# Altium PCB Dahlia Carrier Board.PcbDoc (part 10 of 10)
Units mm, origin at the board's own origin, x right, y up, seen from the top; angles counter-clockwise.
Board outline 120 x 120 mm, 6 copper layers (Top Layer, GND, Layer 1, Layer 2, GND2, Bottom Layer), stack 1.558 mm thick; 879 components, 677 nets, 3194 pads, 1445 vias.
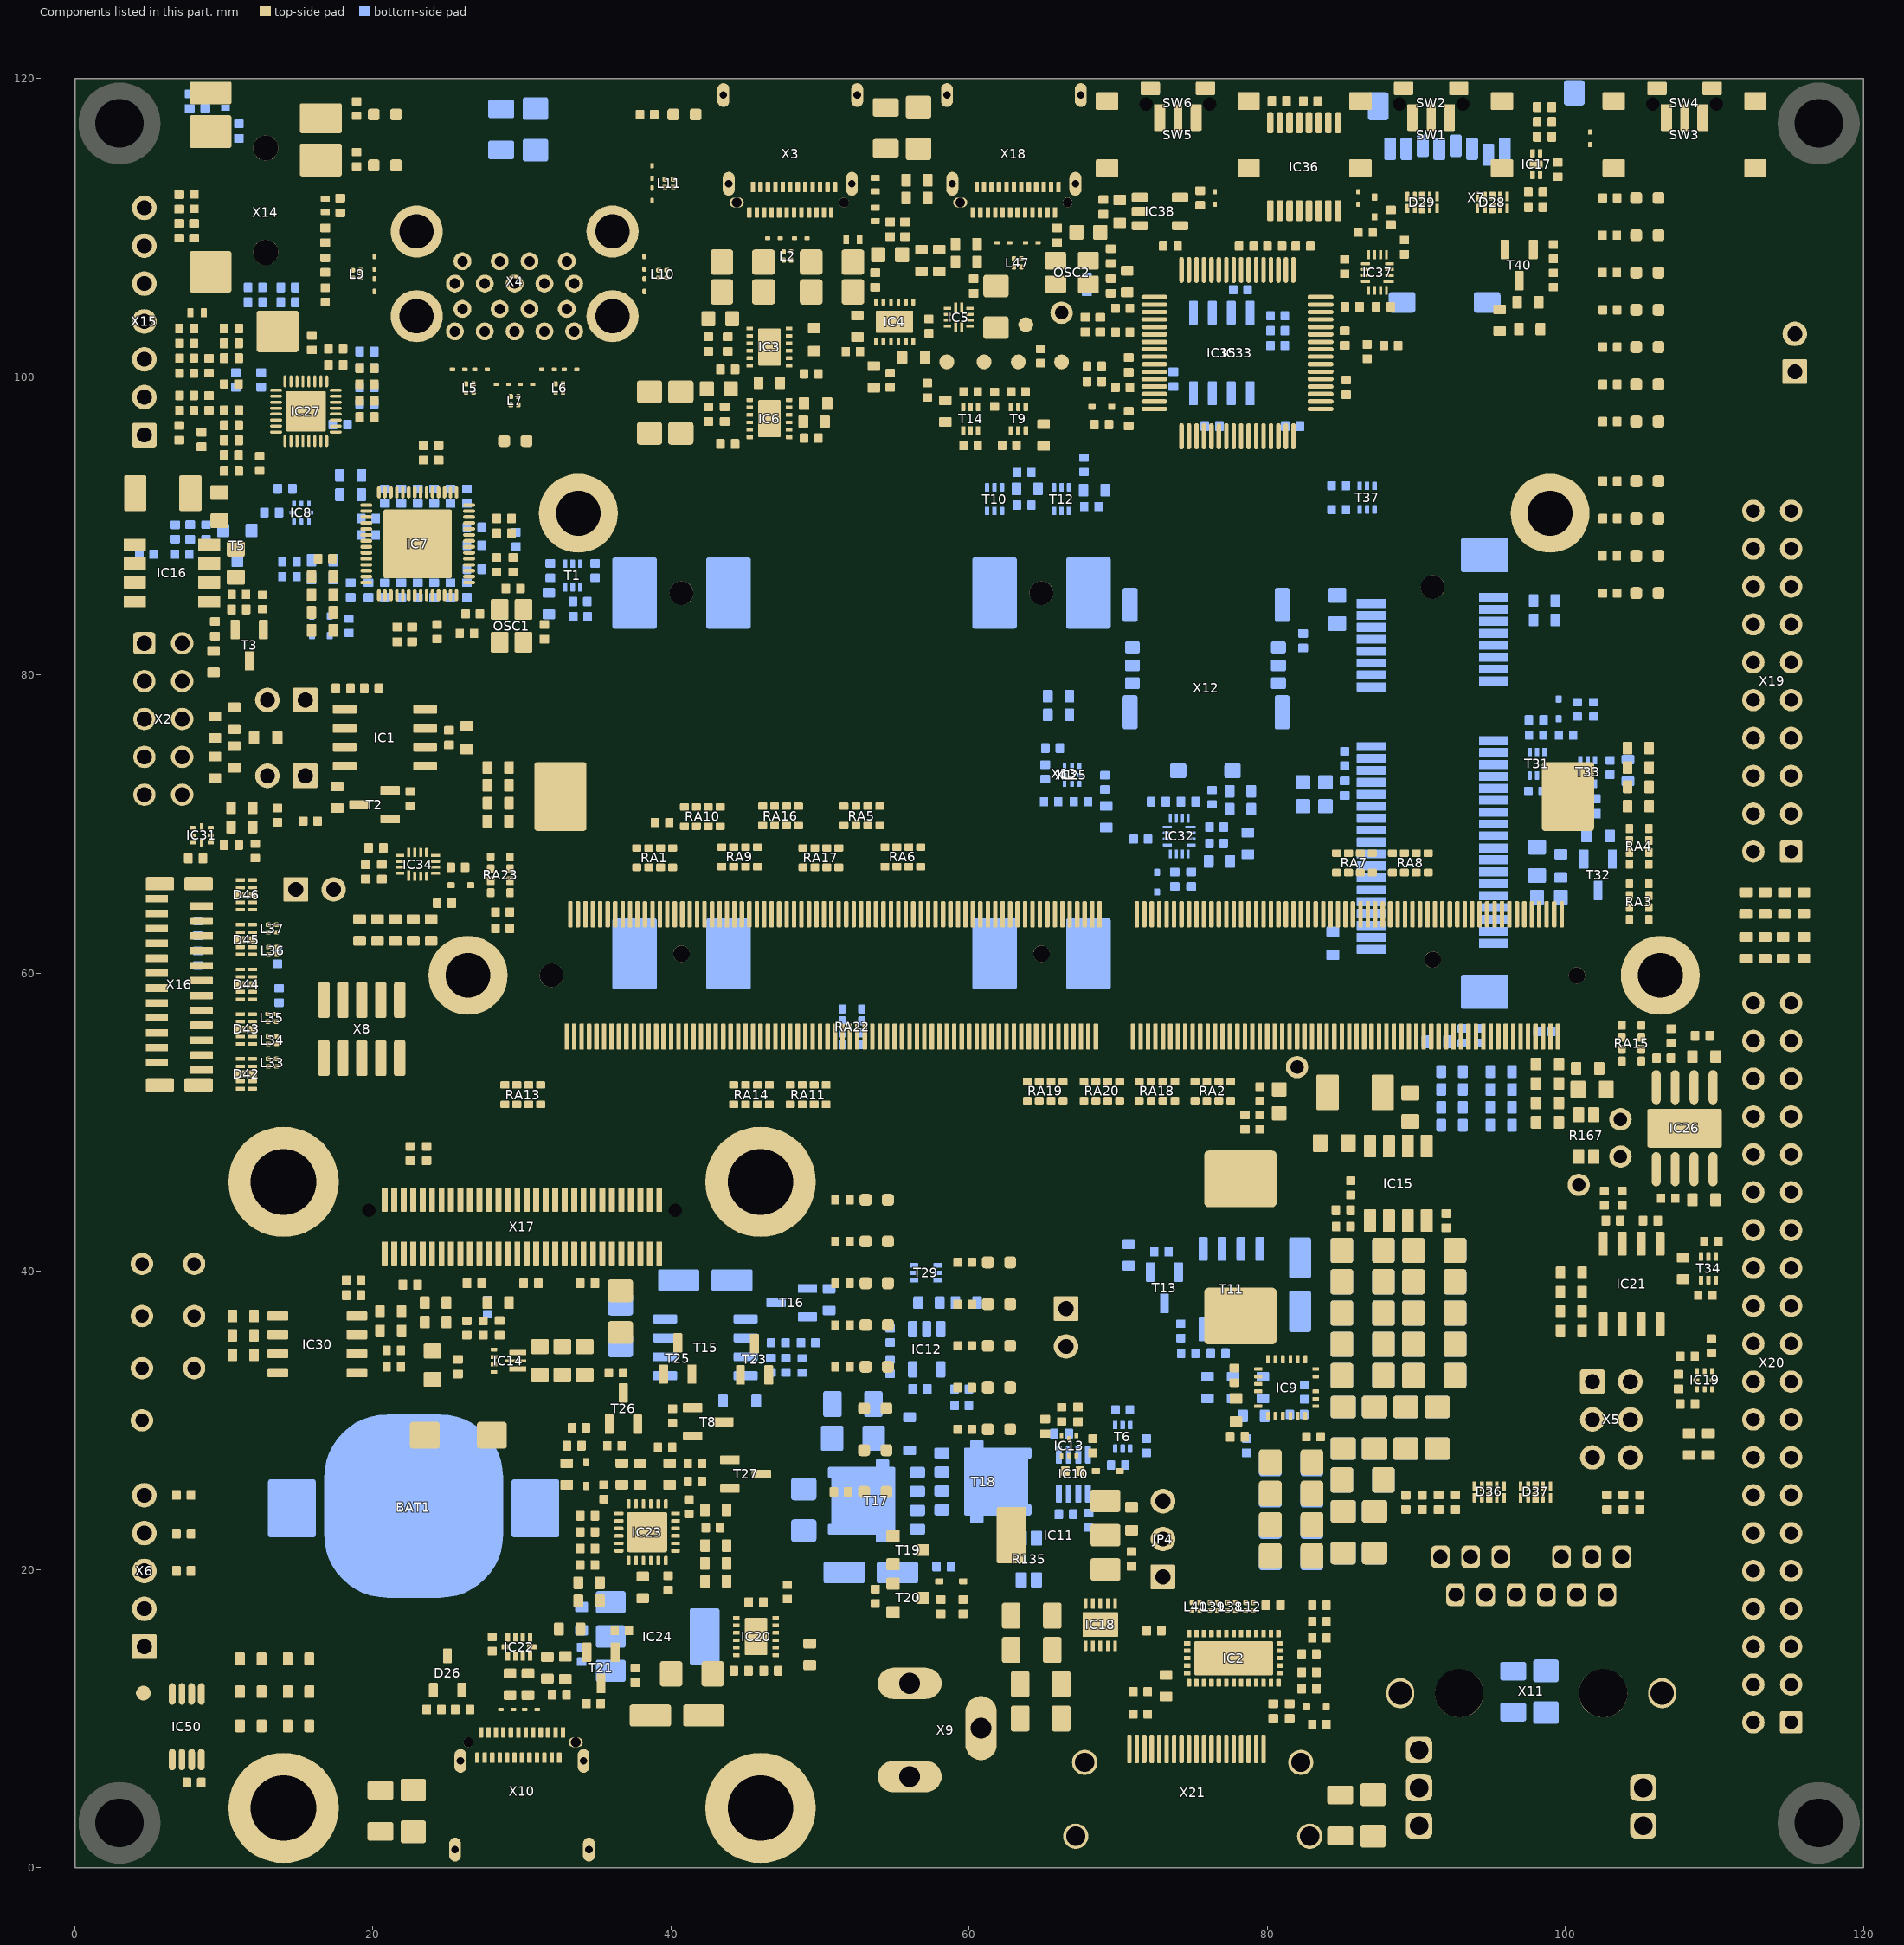
[diagram p14: the components of this part, seen from the top]

## Polygon pours and split planes (outlines as drawn) (continued)
+V3.3_SW on Top Layer "+V3.3_SW_L01_P854" (solid, pour order 854): 29.883,40.183 28.4,38.7 27,38.7 27,40.1 26.942,40.158 26.943,42 29.882,42
+V3.3 on Top Layer "+V3.3_L01_P852" (solid, pour order 852): 24.475,28.28 cw(c24.295,28.28) 24.295,28.1 22.655,28.1 cw(c22.655,28.28) 22.475,28.28 22.475,32.475 23.4,33.4 28.3,33.4 28.3,33 27.4,32.1 25.2,32.1 24.475,31.375
GND on Top Layer "GND_L01_P856" (solid, pour order 856): 23.3,35.7 23.5,35.9 24.7,35.9 24.7,35.2 25.5,34.4 26.4,34.4 cw(c26.4,34.1) 26.7,34.1 cw(c26.4,34.1) 26.4,33.8 23.3,33.8
+V5_SW on Top Layer "+V5_SW_L01_P849" (solid, pour order 849): 30.8,37.523 30.8,40.376 30.752,40.423 30.752,42 33.69,42 33.695,40.418 33.4,40.123 33.4,37.6 34.8,36.2 34.8,34.375 29.197,34.375 cw(c29.197,34.428) 29.145,34.428 29.144,35.825
GND on Top Layer "GND_L01_P850" (solid, pour order 850): 29.145,33.328 29.145,33.573 cw(c29.197,33.573) 29.197,33.625 34.8,33.625 34.8,31.8 29.325,31.8 29.144,31.98
+V_PWR_IN_2 on Top Layer "+V_PWR_IN_2_L01_P848" (solid, pour order 848): 37.2,12.7 37.9,12.7 39.7,10.9 40,10.9 40,8.4 39.3,7.7 37.9,7.7 37.2,8.4 37.2,10.9
+V_SUPPLY_FILT on Top Layer "+V_SUPPLY_FILT_L01_P843" (solid, pour order 843): 46.7,12.1 48.6,12.1 48.6,14.9 46.7,14.9
+V1.8_SW on Top Layer "+V1.8_SW_L01_P749" (solid, remove dead copper, pour order 749): 108.335,47.995 108.335,46.035 108,45.7 108,42.7 108.935,42.7 108.935,47.995
+V3.3 on Top Layer "+V3.3_L01_P607" (solid, pour order 607): 101.3,48.8 96.9,48.8 96.9,47 101.3,47
GND on Top Layer "GND_L01_P586" (solid, pour order 586): 97,54.5 98.5,54.5 98.5,49.4 97,49.4
GND_CHASSIS on Bottom Layer "GND_CHASSIS_L06_P994" (solid, remove dead copper, pour order 994): 30 vertices, not listed, extent 36.1,112.7 68.4,120
GND on Bottom Layer "GND_L06_P871" (solid, pour order 871): 48,24.6 49.8,24.6 49.8,26.9 48,26.9
GND on Bottom Layer "GND_L06_P903" (solid, pour order 903): 29 vertices, not listed, extent 91.2,32.1 93.4,42.3
GND_CHASSIS on Bottom Layer "GND_CHASSIS_L06_P961" (solid, pour order 961): 81.9,6.5 87.9,12.5 90,12.5 90.7,11.8 91.3,11.2 104,11.2 105,12.2 108.1,12.2 113.7,6.6 118.5,6.6 118.5,1.2 117.3,0 81.9,0
GND_CHASSIS on Bottom Layer "GND_CHASSIS_L06_P995" (solid, remove dead copper, pour order 995): 21 vertices, not listed, extent 3,0 83.7,7.2
+V_PWR_IN_1 on Bottom Layer "+V_PWR_IN_1_L06_P870" (solid, pour order 870): 57.15,10.9 ccw(c57.15,12.3) 58.55,12.3 58.55,18.85 58.1,19.3 58.1,20.6 53.8,20.6 53.8,17.75 53.35,17.3 53.35,12.3 ccw(c54.7,12.25) 54.65,10.9
+V_REG_FTDI_OUT on Bottom Layer "+V_REG_FTDI_OUT_L06_P937" (solid, pour order 937): 35 vertices, not listed, extent 70.4,98.3 86.1,109.7
NetR135_1 on Bottom Layer "NETR135_1_L06_P836" (solid, pour order 836): 61.622,21.478 59.65,23.45 59.65,23.727 59.65,28.18 63.9,28.18 63.9,21.7 63.898,21.478
+V_SUPPLY_FILT on Bottom Layer "+V_SUPPLY_FILT_L06_P914" (solid, pour order 914): 43 vertices, not listed, extent 81.6,19.9 88.1,28
+V3.3_SD on Bottom Layer "+V3.3_SD_L06_P825" (solid, pour order 825): 92.24,114.75 92.24,117.44 93.2,118.4 97.5,118.4 97.7,118.2 97.7,116.4 97.6,116.3 93.3,116.3 93.04,116.04 93.04,114.75
+V_SUPPLY_FILT on Bottom Layer "+V_SUPPLY_FILT_L06_P913" (solid, pour order 913): 33 vertices, not listed, extent 84.2,29.5 92.3,33.9
GND on Bottom Layer "GND_L06_P902" (solid, pour order 902): 29 vertices, not listed, extent 86.4,32.1 88.6,42.3
GND_CHASSIS on Bottom Layer "GND_CHASSIS_L06_P960" (solid, pour order 960): 22.9,109.1 22.9,120 36.2,120 36.2,109.6 34.8,109.6 34.8,115.1 32.6,117.3 27,117.3 24.1,114.4 24.1,109.1
GND on Bottom Layer "GND_L06_P959" (solid, pour order 959): 27.1,115.3 27.7,115.9 31.7,115.9 32.3,115.3 32.3,114.4 31.6,113.7 27.8,113.7 27.1,114.4
GND_CHASSIS on Bottom Layer "GND_CHASSIS_L06_P958" (solid, pour order 958): 31.7,117.3 32.4,118 32.4,118.6 31.5,119.5 28,119.5 27,118.5 27,118 27.7,117.3
GND on Bottom Layer "GND_L06_P956" (solid, pour order 956): 99.6,12.5 100.3,13.2 100.3,13.8 99.4,14.7 95.9,14.7 94.9,13.7 94.9,13.2 95.6,12.5
GND on Bottom Layer "GND_L06_P951" (solid, pour order 951): 35.1,16.25 ccw(c35.1,16.1) 34.95,16.1 34.95,14.75 36.95,14.75 37.5,14.2 37.5,12.4 43.3,12.4 43.3,18.6 37.6,18.6 37.6,16.9 36.95,16.25
GND on Bottom Layer "GND_L06_P934" (solid, pour order 934): 19.9,91.8 26.6,91.8 26.6,85.9 19.3,85.9 19.3,86.6 19.9,87.2
+V3.3 on Bottom Layer "+V3.3_L06_P923" (solid, pour order 923): 103.7,67 103.7,70.8 102.6,70.8 102.6,67
GND on Bottom Layer "GND_L06_P922" (solid, pour order 922): 94.2,68.7 97.5,68.7 97.5,69.2 98,69.7 101.8,69.7 101.8,68.6 100.5,68.6 100.2,68.3 100.2,67.6 97.1,67.6 94.2,67.6
+V3.3_PCIE_1_UNFILT on Bottom Layer "+V3.3_PCIE_1_UNFILT_L06_P894" (solid, pour order 894): 101.9,66.8 102.5,66.2 102.5,64.6 99.2,64.6 99.2,66.8
+V3.3_SW on Bottom Layer "+V3.3_SW_L06_P921" (solid, pour order 921): 75.4,42.3 75.4,39.5 83,39.5 83,42.3
+V3.3 on Bottom Layer "+V3.3_L06_P905" (solid, pour order 905): 40 vertices, not listed, extent 76.6,32.1 86.5,42.3
GND on Bottom Layer "GND_L06_P916" (solid, pour order 916): 32 vertices, not listed, extent 84.2,25.1 92.3,29.5
GND on Bottom Layer "GND_L06_P917" (solid, pour order 917): 84.2,22.1 84.7,22.1 85.1,22.5 85.5,22.5 85.9,22.1 86.4,22.1 86.8,22.5 87.2,22.5 87.6,22.1 88.1,22.1 88.1,19.6 84.2,19.6
GND on Bottom Layer "GND_L06_P915" (solid, pour order 915): 23 vertices, not listed, extent 79.4,19.9 81.6,28
+V3.3 on Bottom Layer "+V3.3_L06_P904" (solid, pour order 904): 26 vertices, not listed, extent 89,34.2 91.3,42.3
+V3.3_PCIE_1 on Bottom Layer "+V3.3_PCIE_1_L06_P895" (solid, pour order 895): 96.5,65.7 94.2,65.7 94.2,67.1 98.7,67.1 98.7,64.6 97.1,64.6 96.5,65.2
+V_SUPPLY_FILT_SW on Bottom Layer "+V_SUPPLY_FILT_SW_L06_P860" (solid, pour order 860): 37.5,40.2 37.5,39.3 39.1,39.3 39.1,40.2 41.9,40.2 41.9,32.7 38.8,32.7 38.8,36.243 37.917,37 34.6,37 34.6,40.2
+V_SUPPLY_FILT on Bottom Layer "+V_SUPPLY_FILT_L06_P859" (solid, pour order 859): 42.7,40.2 42.7,34 45.8,34 45.8,40.2
GND on Bottom Layer "GND_L06_P861" (solid, pour order 861): 38.2,35.8 38.2,34.2 35,34.2 35,35.8
NetD31_2 on Bottom Layer "GND_L06_P-001" (solid, pour order 823): 56.1,23.6 58.6,23.6 58.7,23.7 58.7,26.8 58.6,26.9 56.1,26.9 56,26.8 56,23.7
PWR_IN_1_FILT on Bottom Layer "PWR_IN_1_FILT_L06_P839" (solid, pour order 839): 53.733,26.88 50.523,26.88 50.523,23.8 50.5,23.8 50.1,23.4 48,23.4 48,21.3 50.3,19 53,19 53,21.6 55.05,21.6 55.05,26.88
+V_SUPPLY_FILT on Bottom Layer "+V_SUPPLY_FILT_L06_P838" (solid, pour order 838): 63.9,19.9 63.9,18.1 61.3,18.1 61.3,19.9
GND on Bottom Layer "GND_L06_P630" (solid, pour order 630): 21.125,91.575 25.775,91.575 25.775,85.975 21.125,85.975
+V3.3_SW on Layer 2 "+V3.3_SW_L04_P967" (solid, remove dead copper, pour order 967): 63 vertices, not listed, extent 6.4,22.9 114,111
+V_PWR_IN_2 on Layer 2 "+V_PWR_IN_2_L04_P865" (solid, remove dead copper, pour order 865): 40,9.3 39.2,10.1 29.1,10.1 27.7,8.7 27.7,5.9 28.3,5.3 36.9,5.3 40,8.4
+V5_SW on Layer 2 "+V5_SW_L04_P985" (solid, remove dead copper, pour order 985): 21 vertices, not listed, extent 55.25,56.6 117.7,115.7
+V3.3 on Layer 2 "+V3.3_L04_P966" (solid, remove dead copper, pour order 966): 36 vertices, not listed, extent 24.7,30.6 103.9,70.8
JTAG_1_VREF on Layer 2 "JTAG_1_VREF_L04_P933" (solid, remove dead copper, pour order 933): 18 vertices, not listed, extent 13.985,52.1 34.8,66.4
+V5_SW on Layer 2 "+V5_SW_L04_P981" (solid, remove dead copper, pour order 981): 21.3,73.6 43.6,95.9 43.6,98.7 49.6,104.7 52.4,104.7 56.6,100.5 56.6,99.6 56,99 56,97.7 29.8,71.5 21.3,71.5
+V5_SW on Layer 2 "+V5_SW_L04_P972" (solid, remove dead copper, pour order 972): 48.2,99.5 49.1,100.4 49.1,101.7 48.3,102.5 48.3,103.4 49.6,104.7 50.6,104.7 55.5,109.6 59.9,109.6 62.1,107.4 62.1,105.1 56.5,99.5 49.9,99.5 49.2,98.8 48.2,98.8
+VREG_2V7 on Layer 2 "+VREG_2V7_L04_P868" (solid, remove dead copper, pour order 868): 36,21 35.4,21 34.9,21.6 34.9,26.3 35.5,26.9 37.4,26.9 39.9,29.4 40.5,29.4 40.5,27.5 44.3,23.7 44.3,22.7 42.6,21
+V_SUPPLY_FILT on Layer 2 "+V_SUPPLY_FILT_L04_P864" (solid, remove dead copper, pour order 864): 31 vertices, not listed, extent 42.6,12 92.4,37.1
+V_SUPPLY_FILT_SW on Layer 2 "+V_SUPPLY_FILT_SW_L04_P965" (solid, remove dead copper, pour order 965): 19 vertices, not listed, extent 2.8,13.4 37.5,40.2
+V3.3_PCIE_1 on Layer 2 "+V3.3_PCIE_1_L04_P970" (solid, remove dead copper, pour order 970): 97.2,65.2 102.8,70.8 102.8,77.6 94.7,85.7 83.7,85.7 83,85 83,61.2 86.7,61.2 88.6,63.1 94.2,63.1 95.55,63.15 97.2,64.8
+V_BUS_PD on Layer 2 "+V_BUS_PD_L04_P867" (solid, remove dead copper, pour order 867): 18 vertices, not listed, extent 31.9,11.5 44.7,28.8
+V5_VBUS_USBH2 on Layer 2 "+V5_VBUS_USBH2_L04_P879" (solid, remove dead copper, pour order 879): 35.2,107.6 39.4,107.6 39.7,107.9 44.6,107.9 44.7,107.8 44.7,105 44.6,104.9 38.2,104.9 37.1,106 33.1,106 31.9,107.2 31.9,108.5 32.4,109 33.8,109
+V1.2_USB on Layer 2 "+V1.2_USB_L04_P932" (solid, remove dead copper, pour order 932): 20 vertices, not listed, extent 19.1,84.1 27.8,93.503
+V5_SW on Layer 2 "+V5_SW_L04_P973" (solid, remove dead copper, pour order 973): 22 vertices, not listed, extent 1,18.5 27.4,79.5
GND_CHASSIS on Layer 2 "GND_CHASSIS_L04_P753" (solid, remove dead copper, pour order 753): 0,120 53.3,120 53.3,117.5 18.7,117.5 18.3,117.9 6,117.9 5.8,117.7 5.8,115.366 3.112,112.678 3.09,112.7 0,112.7
+V5_VBUS_USBH3 on Layer 2 "+V5_VBUS_USBH3_L04_P878" (solid, remove dead copper, pour order 878): 40.7,97.7 33.4,97.7 30.2,100.9 30.2,103.6 32.2,105.6 33.2,105.6 33.8,105 33.8,104.2 32.9,103.3 32.9,102.6 35.6,99.9 38.8,99.9 40.7,98
+V5_SW on Layer 2 "+V5_SW_L04_P971" (solid, remove dead copper, pour order 971): 32,36.2 34.8,36.2 34.8,35 18.3,18.5 6.3,18.5 6.3,22.7 18.5,22.7
+V5_PD on Layer 2 "+V5_PD_L04_P869" (solid, remove dead copper, pour order 869): 33.4,18.2 29.5,18.2 27.7,16.4 27.7,15.8 28.3,15.8 32.6,11.5 32.6,10.5 33.4,10.5
+V3.3_DBG on Layer 1 "+V3.3_DBG_L03_P975" (solid, remove dead copper, pour order 975): 37 vertices, not listed, extent 20.3,68.8 106.2,119.5
+V1.8_SW on Layer 1 "+V1.8_SW_L03_P982" (solid, remove dead copper, pour order 982): 27 vertices, not listed, extent 54.2,42.8 117.2,111.9
NetC196_2 on Layer 1 "NETC196_2_L03_P980" (solid, remove dead copper, pour order 980): 64.8,113.8 65.3,114.3 67.9,114.3 68.3,113.9 68.3,110.8 67.3,109.8 64.9,109.8 64.3,110.4 62.1,110.4 61.5,109.8 61.2,109.8 61.1,109.9 61.1,113.2 61.7,113.8
+V1.5_PCIE_1 on Layer 1 "+V1.5_PCIE_1_L03_P969" (solid, remove dead copper, pour order 969): 87.4,82.6 88.2,83.4 91.3,83.4 95.7,79 95.7,62.3 100.3,57.7 107,57.7 108.4,56.3 108.4,55 107.2,53.8 95.4,53.8 87.4,61.8
+V1.8_SW on Layer 1 "+V1.8_SW_L03_P963" (solid, remove dead copper, pour order 963): 49 vertices, not listed, extent 6.8,36.3 84.1,97.9
+V1.8_SW on Layer 1 "+V1.8_SW_L03_P977" (solid, remove dead copper, pour order 977): 41 vertices, not listed, extent 79,12.9 113.8,48.8
+V3.3 on Layer 1 "+V3.3_L03_P983" (solid, pour order 983): 27 vertices, not listed, extent 2.3,31.7 27.6,87.1
+V3.3_USB on Layer 1 "+V3.3_USB_L03_P936" (solid, remove dead copper, pour order 936): 19 vertices, not listed, extent 13.1,80.3 31,94.5
+V5_SW on Layer 1 "+V5_SW_L03_P979" (solid, remove dead copper, pour order 979): 54.1,36.2 79.1,11.2 80.3,11.2 81,11.9 81.4,11.9 81.5,11.8 81.5,10.4 80.9,9.8 63,9.8 49.6,23.2 41.1,23.2 29.3,35 29.3,36 29.5,36.2
+V5_VBUS_USB_1 on Layer 1 "+V5_VBUS_USB_1_L03_P964" (solid, remove dead copper, pour order 964): 46.1,110.1 45.4,110.8 45.4,112.6 46.6,113.8 49.3,113.8 49.8,113.3 49.8,111.2 51.4,109.6 51.4,105.7 51.2,105.5 50.2,105.5 46.4,109.3 46.4,109.9 46.1,110.2
+V1.8_SW on Layer 1 "+V1.8_SW_L03_P974" (solid, remove dead copper, pour order 974): 16.9,96.3 16.9,98.9 19.7,101.7 20.9,101.7 21.1,101.5 21.1,101.3 20.3,100.5 20.3,98.1 18.5,96.3
+V1.2_USB on Layer 1 "+V1.2_USB_L03_P931" (solid, remove dead copper, pour order 931): 33 vertices, not listed, extent 10.4,84.1 27.7,93.9
+V3.3_SW on Layer 1 "+V3.3_SW_L03_P978" (solid, remove dead copper, pour order 978): 76.6,40.6 79.2,40.6 80.9,38.9 80.9,13.1 81.3,12.7 81.8,12.7 82,12.5 82,12.3 81.8,12.1 80.3,12.1 77.6,14.8 77.6,28.1 77.6,39 76.4,40.2 76.4,40.4
+V1.8_SW on Layer 1 "+V1.8_SW_L03_P984" (solid, remove dead copper, pour order 984): 25 vertices, not listed, extent 6.3,5.4 31.6,36.6
GND on GND "GND_L02_P930" (solid, remove dead copper, pour order 930): 0,120 120,120 120,0 0,0
GND on GND2 "GND_L05_P986" (solid, remove dead copper, pour order 986): -0.001,120.025 119.999,120.025 119.999,0.025 -0.001,0.025

## Keep-outs
Keep-Out Layer:
  the board outline again, w0.2

## Other copper
Top Layer:
  rectangle net GND_CHASSIS: 117,2.9 119.4,116.9
  rectangle net GND_CHASSIS: 0.6,1.5 3,116.9
  text "Rev. 1.1" at 113.6,100.848 h1.5 r90
  text "Dahlia Carrier Board" at 112.206,96.794 h1.5 r90
Layer 2:
  region net THERMAL: 47.8,18.1 43.5,18.1 43.5,12.7 47.8,12.7
GND:
  pour cut-out: 90.825,62.05 90.825,62 ccw(c91.125,62) 91.125,61.7 91.825,61.7 ccw(c91.825,62.025) 92.15,62.025 ccw(c92.1,62.025) 92.1,62.075 90.85,62.075 ccw(c90.85,62.05)
  pour cut-out: 27.925,95.375 cw(c27.925,95.075) 28.225,95.075 28.225,94.275 cw(c27.975,94.275) 27.975,94.025 27.925,94.025 cw(c27.925,94.325) 27.625,94.325 27.625,95.075 cw(c27.925,95.075)
Layer 1:
  region net THERMAL: 47.8,18.1 43.5,18.1 43.5,12.7 47.8,12.7
  pour cut-out: 90.825,62.05 90.825,62 ccw(c91.125,62) 91.125,61.7 91.825,61.7 ccw(c91.825,62.025) 92.15,62.025 ccw(c92.1,62.025) 92.1,62.075 90.85,62.075 ccw(c90.85,62.05)
GND2:
  pour cut-out: 90.825,62.05 90.825,62 ccw(c91.125,62) 91.125,61.7 91.825,61.7 ccw(c91.825,62.025) 92.15,62.025 ccw(c92.1,62.025) 92.1,62.075 90.85,62.075 ccw(c90.85,62.05)
  pour cut-out: 27.925,95.375 cw(c27.925,95.075) 28.225,95.075 28.225,94.275 cw(c27.975,94.275) 27.975,94.025 27.925,94.025 cw(c27.925,94.325) 27.625,94.325 27.625,95.075 cw(c27.925,95.075)
Bottom Layer:
  region net THERMAL: 47.8,18.1 43.5,18.1 43.5,12.7 47.8,12.7
  rectangle net GND_CHASSIS: 117,2.9 119.4,116.9
  rectangle net GND_CHASSIS: 0.6,1.5 3,117

## Silkscreen, mask and mechanical layers (free items; w line width, h text height)
Top Overlay:
  drawing of 150 lines, arcs and shapes, not listed
  text "USB DRP PWR" at 42.75,116.987 h1.3 r180
  text "USB L" at 22.175,116.9 h1.3 r180
  text "AUDIO" at 7.3,115.565 h1.3 r90
  text "USB U" at 22.2,113.6 h1.3 r180
  text "ON/OFF" at 113.6,112.8 h1.3 r180
  text "SD PWR" at 108.2,111.4 h1.3 r180
  text "DRP" at 44.6,110.6 h1.3 r180
  text "DEBUG" at 61.823,110.599 h1.3 r180
  text "RECOVERY" at 81.788,110.365 h1.3 r180
  text "RESET" at 95,110.3 h1.3 r180
  text "DBG GPIO EN" at 116.858,109.275 h1.3 r180
  text "UARTD RX" at 108.2,108.9 h1.3 r180
  text "UARTD TX" at 108.2,106.386 h1.3 r180
  text "UARTC RX" at 108.2,103.9 h1.3 r180
  text "GND" at 67.3,103.1 h1.3 r180
  text "UARTC TX" at 108.2,101.4 h1.3 r180
  text "FTDI" at 101.506,101.289 h1.3 r90
  text "JTAG" at 108.2,98.9 h1.3 r180
  text "PWR" at 108.2,96.4 h1.3 r180
  text "USB HUB PWR" at 31.058,94.975 h1.3 r180
  text "WWAN" at 108.2,92.4 h1.3 r180
  text "WLAN" at 108.2,89.9 h1.3 r180
  text "WPAN" at 108.2,87.4 h1.3 r180
  text "PCIe" at 109.741,87.274 h1.3 r90
  text "PWR" at 108.2,84.9 h1.3 r180
  text "Verdin System-on-Module" at 79.91,83.255 h2.5 r180
  text "CAN TERM" at 22.45,81.3 h1.3 r180
  text "CAN" at 6.375,69 h1.3 r180
  text "FTDI JTAG" at 19,68.6 h1.3 r180
  text "JTAG" at 22.7,61.2 h1.3 r180
  text "PWR_1V8_MOCI" at 80.737,54.764 h1.3 r180
  text "MIPI CSI" at 4.308,51.4 h1.3 r90
  text "Reserved" at 69.215,49.925 h1.3 r180
  text "Always Compatible" at 69.215,48.225 h1.3 r180
  text "MIPI DSI" at 35.95,47.8 h1.3 r180
  text "Verdin Interface Categ." at 70.915,46.512 h1.3 r180
  text "VCC" at 100,46.5 h1.3 r90
  text "FFC" at 8.557,44.567 h1.6 r90
  text "BC" at 55.85,43.983 h1.3 r180
  text "Contact Side" at 5.8,41.8 h1.6 r90
  text "PDO3" at 55.85,41.2 h1.3 r180
  text "+V1.8_SW" at 64.6,39.9 h1.3 r180
  text "PDO2" at 55.85,38.4 h1.3 r180
  text "+V3.3_SW" at 64.6,37.1 h1.3 r180
  text "PWR_BTN_MICO#" at 94.9,36.8 h1.3 r90
  text "FORCE_OFF#" at 96.5,36.8 h1.3 r90
  text "RESET_MICO#" at 98.2,36.8 h1.3 r90
  text "PD" at 55.85,35.6 h1.3 r180
  text "4" at 94.9,35.5 h1.3 r90
  text "5" at 96.5,35.5 h1.3 r90
  text "6" at 98.1,35.5 h1.3 r90
  text "+V5_SW" at 64.6,34.3 h1.3 r180
  text "PWR2 (USB-C)" at 58.047,32.97 h1.3 r90
  text "PD ERR" at 55.85,32.8 h1.3 r180
  text "ALWAYS ON" at 69.4,32.3 h1.3 r90
  text "+V3.3" at 64.6,31.5 h1.3 r180
  text "ERR" at 55.85,30 h1.3 r180
  text "+V5_STB" at 64.6,28.7 h1.3 r180
  text "PWR_BTN#" at 94.9,28.3 h1.3 r90
  text "GND" at 96.6,28.3 h1.3 r90
  text "PWR_CTRL" at 98.2,28.3 h1.3 r90
  text "PWR1 ERR" at 57.175,27.2 h1.3 r180
  text "1" at 94.9,27 h1.3 r90
  text "2" at 96.6,27 h1.3 r90
  text "3" at 98.2,27 h1.3 r90
  text "+V1.8_SW" at 23.8,25.025 h1.3 r180
  text "5" at 25.6,25 h1.3 r180
  text "RESET" at 57.175,24.4 h1.3 r180
  text "Gbit ETHERNET" at 102.337,24.214 h1.3 r180
  text "+V3.3_SW" at 23.8,23.3 h1.3 r180
  text "4" at 25.6,23.3 h1.3 r180
  text "OFF" at 77.2,22.1 h1.3 r90
  text "3" at 25.6,21.7 h1.3 r180
  text "+V5_SW" at 23.8,21.6 h1.3 r180
  text "GND" at 23.8,20 h1.3 r180
  text "2" at 25.6,19.9 h1.3 r180
  text "+V_SUPPLY_FILT_SW" at 23.8,18.1 h1.3 r180
  text "1" at 25.6,18.1 h1.3 r180
  text "RETRY" at 75.8,18.1 h1.3 r90
  text "ON" at 77.2,18.1 h1.3 r90
  text "X6 PINOUT" at 21.85,16.45 h1.3 r180
  text "Vin 5-24V" at 60.9,16 h2.5 r180
  text "HDMI" at 78.304,10.8 h1.3 r180
  text "-" at 65.093,6.627 h1 r90
  text "PWR2" at 36.7,3.5 h1.3 r90
  text "PWR1" at 62.5,2.8 h1.3 r90
  text "+" at 64.093,1.727 h1 r270
Bottom Overlay:
  region: 94.1,103.5 93.3,103.5 93.3,102.7 94.1,102.7
  region: 88.5,90.6 87.7,90.6 87.7,89.8 88.5,89.8
  lines w0.2: 75.481,89.406 76.002,88.798 76.523,89.406 76.252,89.406 76.252,90.106 75.952,90.106 75.752,90.106 75.752,89.406 75.481,89.406 ; 87.7,89.8 87.7,90.6 88.5,90.6 88.5,89.8 87.7,89.8 ; 93.3,102.7 94.1,102.7 94.1,103.5 93.3,103.5 93.3,102.7
  lines w0.3: 74.552,91.281 75.152,90.606 77.352,90.606 77.352,93.906 74.552,93.906 74.552,91.281
  text "MICRO SD" at 94.85,103.7 h1.3 r180
  text "NANO SIM CARD" at 67.75,90.899 h1.3 r180
  text "MINI PCIe" at 89.05,90.8 h1.3 r180
  text "1216/1220/1225" at 17.2,33.906 h1.6 r180
  text "BATTERY" at 19.4,32.625 h1.6 r180
Top Solder:
  text "Rev. 1.1" at 113.6,100.848 h1.5 r90
  text "Dahlia Carrier Board" at 112.206,96.794 h1.5 r90
Mechanical 15:
  the board outline again, w0.2

## Text inside footprints (layer, text, board x,y; h text height)
MECH23: Bottom Overlay "e" at 18,78.775 h12 r180; Bottom Overlay "C" at 26.95,67.775 h10 r180; Bottom Overlay "SENSITIVE DEVICE" at 16.3,80.8 h1.5 r180; Bottom Overlay "ATTENTION" at 18.6,78.2 h1.5 r180; Bottom Overlay "ELECTROSTATIC" at 16.9,79.5 h1.5 r180; Bottom Overlay "R" at 19.75,73.175 h15 r180; Bottom Overlay "W" at 28.05,78.15 h10 r180
X8: Top Overlay "1" at 15.3,54.4 h0.7 r180; Top Overlay "2" at 15.3,58.5 h0.7 r180